# Altium PCB 4WD Robot Controller.PcbDoc (continued)
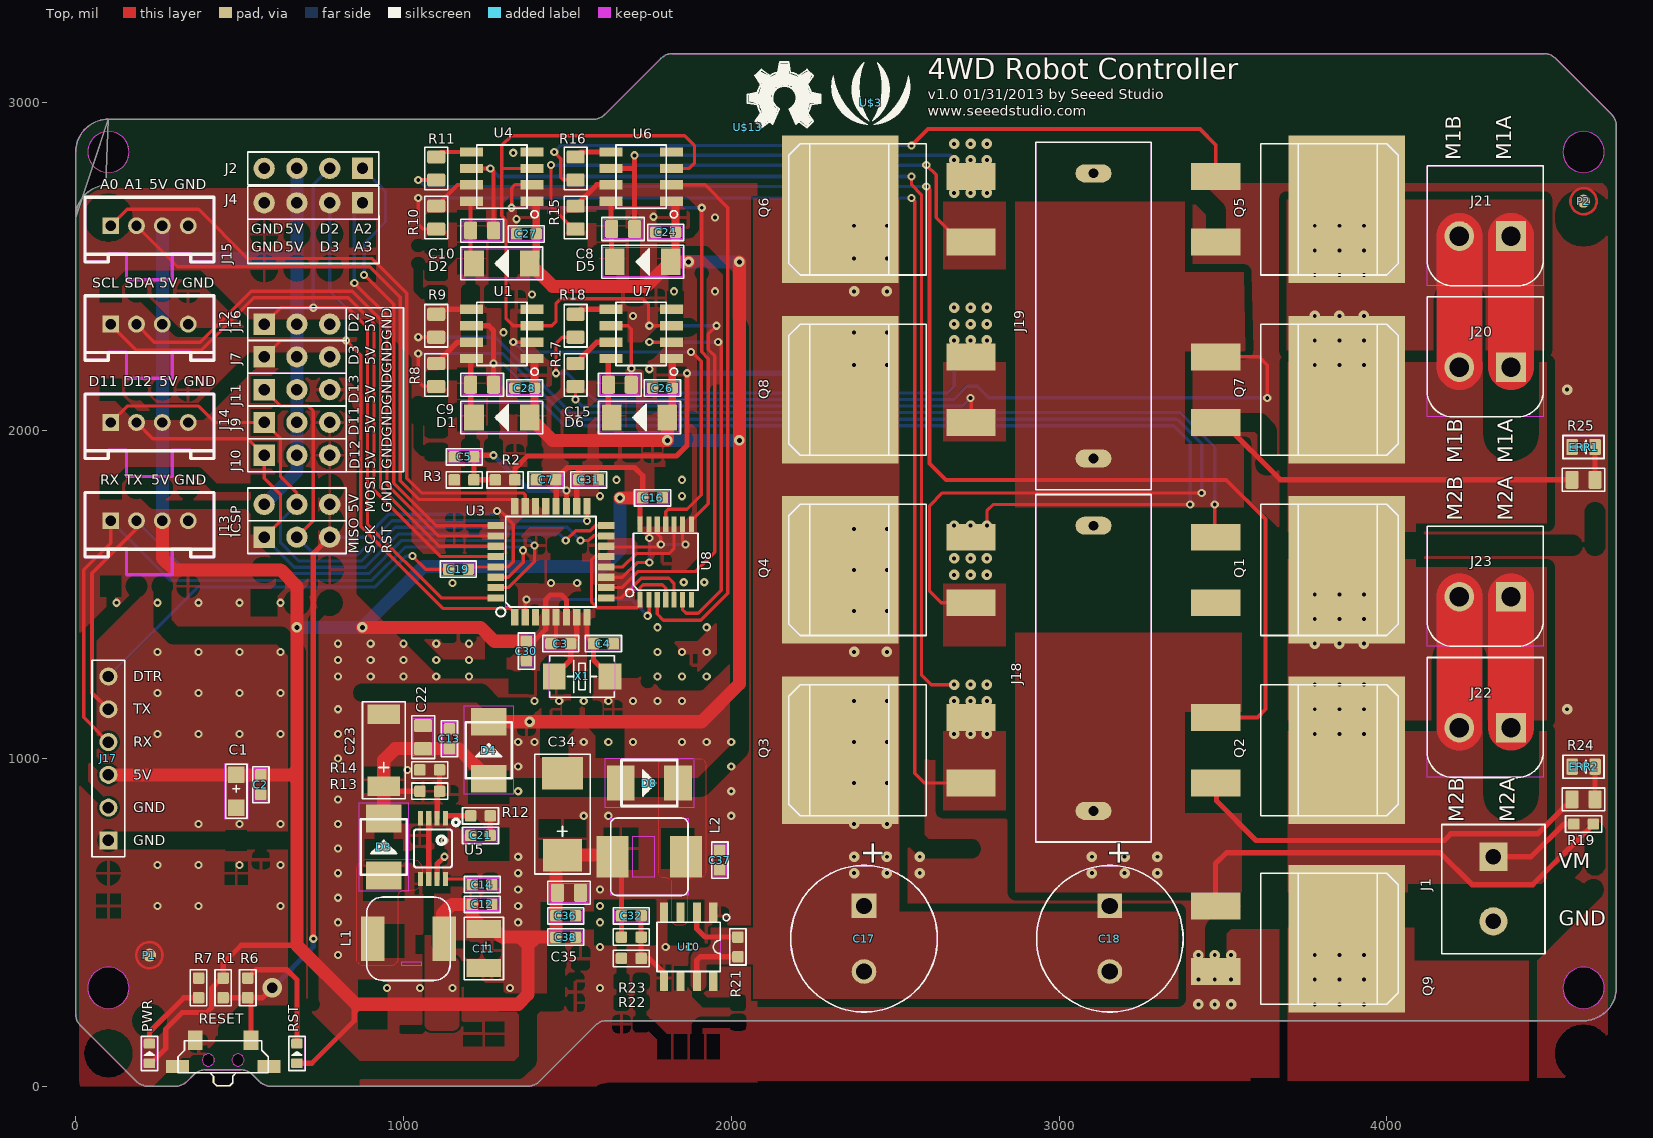
[diagram p0: Top view]
## Footprints (in the part's own frame and the unit in brackets; to place one, negate y for a bottom-side part, rotate by r counter-clockwise, add the part's x,y. Pads: shape width x height; smd on the part's side, far side on the other; paste and mask are expansions set on the pad) (continued)
SMB [mil] "SMB"
  rect 85x107.99 smd: +(-87.01,0) -(87.01,0)
  Top keep-out region: 135,75 135,-75 -135,-75 -135,75
  silkscreen extent -85,-70 85,70
SOIC-8 [mil] "SOIC-8"
  rect 28.35x70.08 smd: 1(-75,-92.13) 2(-25,-92.13) 3(25,-92.13) 4(75,-92.13) 5(75,92.13) 6(25,92.13) 7(-25,92.13) 8(-75,92.13)
  Top keep-out region: -96.46,-76.77 -96.46,76.77 96.46,76.77 96.46,-76.77
  silkscreen extent -126,-111 96,77
SOP8 [mil] "SOP8"
  rect 25x60 smd: 1(-75,-105) 2(-25,-105) 3(25,-105) 4(75,-105) 5(75,105) 6(25,105) 7(-25,105) 8(-75,105)
  Top keep-out region: -96.46,-75 -96.46,75 96.46,75 96.46,-75
  silkscreen extent -125,-100 96,75
TIRE-IMPRESS [mil] "TIRE-IMPRESS"
  silkscreen extent -33,1 3639,1044
TO263AB [mm] "TO263AB"
  rect 2.08x3.8 smd: 1(-2.54,-6.4) 3(2.54,-6.4)
  rect 11.43x9.05 smd: 2(0,3.75)
  silkscreen extent -5.08,-2.92 5.08,7.75
TP_4545 [mil] "TP_4545"
  rrect100% 45x45 smd paste-22.5: T(0,0)
  silkscreen extent -30,-30 30,30
TQFP32 [mil] "TQFP32"
  rect 50x22 smd: 1(-169,110.24) 2(-169,78.74) 3(-169,47.24) 4(-169,15.75) 5(-169,-15.75) 6(-169,-47.24) 7(-169,-78.74) 8(-169,-110.24) 17(169,-110.24) 18(169,-78.74) 19(169,-47.24) 20(169,-15.75) 21(169,15.75) 22(169,47.24) 23(169,78.74) 24(169,110.24)
  rect 22x50 smd: 9(-110.24,-169) 10(-78.74,-169) 11(-47.24,-169) 12(-15.75,-169) 13(15.75,-169) 14(47.24,-169) 15(78.74,-169) 16(110.24,-169) 25(110.24,169) 26(78.74,169) 27(47.24,169) 28(15.75,169) 29(-15.75,169) 30(-47.24,169) 31(-78.74,169) 32(-110.24,169)
  Top keep-out region: -137.99,-137.99 -137.99,137.99 137.99,137.99 137.99,-137.99
  silkscreen extent -167,-138 138,167
TSSOP14 [mm] "TSSOP14"
  rect 0.4x1.2 smd: 1(-2,-2.925) 2(-1.3,-2.925) 3(-0.65,-2.925) 4(0,-2.925) 5(0.65,-2.925) 6(1.3,-2.925) 7(2,-2.925) 8(2,2.925) 9(1.3,2.925) 10(0.65,2.925) 11(0,2.925) 12(-0.65,2.925) 13(-1.3,2.925) 14(-2,2.925)
  Top keep-out region: -2.54,-2.2 -2.54,2.2 2.54,2.2 2.54,-2.2
  silkscreen extent -3.09,-2.71 2.5,2.2

## Part data
12V: library part TP_4545, PackageName=TP_4545, OriginalSource=Eagle
C1: library part AVX-A, PackageName=AVX-A, OriginalSource=Eagle
C2 C3 C4 C5 C7 C12 C13 C14 C16 C19 C21 C24 C26 C27 C28 C30 C31 C32 C36 C37 C38: library part C0603, PackageName=C0603, OriginalSource=Eagle
C8 C9 C10 C15 C22 C35: library part C0805, PackageName=C0805, OriginalSource=Eagle
C11: library part 1210, PackageName=1210, OriginalSource=Eagle
C17 C18: library part ELECTRO-11.36MM, PackageName=ELECTRO-11.36MM, OriginalSource=Eagle
C23: library part AVX-C, PackageName=AVX-C, OriginalSource=Eagle
C34: library part AVX-D, PackageName=AVX-D, OriginalSource=Eagle
D1 D2 D5 D6: library part D2010, PackageName=D2010, OriginalSource=Eagle
D3 D4 D8: library part SMB, PackageName=SMB, OriginalSource=Eagle
ERR1 ERR2: library part LED-0805, PackageName=LED-0805, OriginalSource=Eagle
ICSP: library part 2X3P-2.54, PackageName=2X3P-2.54, OriginalSource=Eagle
J1: library part 2P-5.0, PackageName=2P-5.0, OriginalSource=Eagle
J2 J4: library part 4P-65/35MIL, PackageName=4P-65/35MIL, OriginalSource=Eagle
J7 J9 J10 J11 J16: library part 3P-2.54, PackageName=3P-2.54, OriginalSource=Eagle
J12 J13 J14 J15: library part 4P-2.0, PackageName=4P-2.0, OriginalSource=Eagle
J17: library part 6P-2.54-55/35MIL, PackageName=6P-2.54-55/35MIL, OriginalSource=Eagle
J18 J19: library part 2P-26.9X8.9X15.4H, PackageName=2P-26.9X8.9X15.4H, OriginalSource=Eagle
J20 J21 J22 J23: library part 2P-4.0, PackageName=2P-4.0, OriginalSource=Eagle
L1: library part 2626, PackageName=2626, OriginalSource=Eagle
L2: library part L0630, PackageName=L0630, OriginalSource=Eagle
LOGO: library part TIRE-IMPRESS, PackageName=TIRE-IMPRESS, OriginalSource=Eagle
P1 P2: library part ROUND-MARK-1.0, PackageName=ROUND-MARK-1.0, OriginalSource=Eagle
PWR RST: library part LED-0603, PackageName=LED-0603, OriginalSource=Eagle
Q1 Q2 Q3 Q4 Q5 Q6 Q7 Q8 Q9: library part TO263AB, PackageName=TO263AB, OriginalSource=Eagle
R1 R2 R3 R6 R7 R12 R13 R14 R19 R21 R22 R23: library part R0603, PackageName=R0603, OriginalSource=Eagle
R8 R9 R10 R11 R15 R16 R17 R18 R24 R25: library part R0805, PackageName=R0805, OriginalSource=Eagle
RESET: library part 4P-SMD-7X3.5X3.5H, PackageName=4P-SMD-7X3.5X3.5H, OriginalSource=Eagle
U1 U4 U6 U7: library part SOIC-8, PackageName=SOIC-8, OriginalSource=Eagle
U3: library part TQFP32, PackageName=TQFP32, OriginalSource=Eagle
U5: library part MSOP8, PackageName=MSOP8, OriginalSource=Eagle
U8: library part TSSOP14, PackageName=TSSOP14, OriginalSource=Eagle
U10: library part SOP8, PackageName=SOP8, OriginalSource=Eagle
U$3: library part LOGO_SILK, PackageName=LOGO_SILK, OriginalSource=Eagle
U$13: library part OSHW_FILLX200_NOTEXT, PackageName=OSHW_FILLX200_NOTEXT, OriginalSource=Eagle
X1: library part 2P-SMD-5X3.2, PackageName=2P-SMD-5X3.2, OriginalSource=Eagle

## Free pads (board coordinates)
  round 37.4 hole 37.4 unplated: MH1(404.72,80) MH2(495.28,80)
  round 126 hole 126 unplated: MH1(4600,2850) MH2(4600,300) MH3(100,2850) MH4(100,300)

## Via types
v1: diameter 25/25 (per signal layer), hole 12, Top to Bottom, tented both sides, 171 vias
v2: diameter 32/32 (per signal layer), hole 12, Top to Bottom, tented both sides, 130 vias
v3: diameter 32/32 (per signal layer), hole 15, Top to Bottom, tented both sides, 8 vias
v4: diameter 60/60 (per signal layer), hole 32, Top to Bottom, tented both sides, 1 vias

## Nets (pads, with @x,y where several pads share a name; then routed paths per layer and width w, separated by ;. In a path a pad name is that pad's centre, name@x,y a point inside that pad or via, vN(x,y) a via of type N, cw(c..) or ccw(c..) an arc to the next point about the centre after c; other vN are vias at no path point)
5V: C1.+ C2.1 C7.2 C11.+ C12.2 C16.1 C30.2 C31.2 C32.1 C34.+ C35.2 C36.2 C38.2 ICSP.6 J2.3 J4.3 J7.2 J9.2 J10.2 J11.2 J12.3 J13.3 J14.3 J15.3 J16.2 J17.3 L1.2 L2.2 PWR.+ R1.1 R23.2 RST.+ U3.4 U3.6 U3.18 U3.20 U5.3 U5.6 U8.14 | length 11035.1
  Top w16: PWR.+ 230,70 275,115 275,175 325,225 400,225 415,240 415,300 445,330 R1.1 450,375 505.28,430.28 675,430.28 ; RST.+ 720,70 850,200 850,225 ; 850,255 850,225 ; 875,250 850,225 ; U5.6 U5.3 ; C30.2 1397.5,1357.5 1434.25,1394.25 U3.4 1434.25,1485.11 1447.68,1498.53 1482.32,1498.53 1497.24,1483.61 U3.6 ; U3.20 1465.75,1849.25 C7.2 1465,1852.98 1499.95,1887.92 1535,1887.92 ; 1527.5,1887.5 1535,1880 ; U3.18 1528.74,1843.74 C31.2 1535,1880 ; 1542.5,1887.5 1535,1880 ; L2.2 1665,672.8 C32.1 R23.2 ; U8.14 1721.26,1786.26 C16.1 1730,1862.57 1704.65,1887.92 1535,1887.92 ; 1535,1880 1535,1887.92
  Top w40: J17.3 C1.+ C2.1 660,950 ; J13.3 264.37,1610.63 300,1575 625,1575 675,1525 v3(675,1400) 675,965 ; v3(875,1400) 1235,1400 1277.5,1357.5 C30.2 ; L1.2 1120,454 1120,527.5 1147.5,555 C12.2 1210,515 C11.+ 1275,480 1300,455 1385,455 ; 1360,450 1380,430 ; 1400,450 1380,430 ; C35.2 C35.2@1465,585 ; L2.2 1632.8,705 C34.+ 1480,710 1480,730 1465,715 C35.2@1465,585 ; v3(1660,1795) C16.1 ; 660,950 675,965 ; 660,950 675,935 ; 675,935 675,430.28 855.28,250 875,250 1350,250 1380,280 1380,430 ; 675,935 675,965 ; 1380,430 1380,450 1385,455 ; 1385,455 C38.2 C36.2 C35.2@1465,585
  Bottom w10: 630,2520 630,2525 675,2570
  Bottom w40: J13.3 J14.3 J12.3 264.37,2525 ; J15.3 264.37,2525 ; 265,2505 285,2525 ; 265,2542.5 282.5,2525 ; ICSP.6 675,1875 J10.2 J9.2 J11.2 J7.2 J16.2 675,2500 ; v3(675,1400) v3(875,1400) 1060,1585 1610,1585 1660,1635 v3(1660,1795) ; J2.3 J4.3 675,2570 675,2525 ; 264.37,2525 282.5,2525 ; 282.5,2525 285,2525 ; 285,2525 630,2525 650,2525 ; 650,2525 675,2500 ; 650,2525 675,2525 ; 675,2500 675,2525
12V: 12V.T C24.2 C26.2 C27.2 C28.2 D1.+ D2.+ D4.- D5.+ D6.+ U1.1 U4.1 U6.1 U7.1 | length 4398.4
  Top w24: D1.+ 1400,2055 C28.2 1400,2212.13 U1.1 ; D2.+ 1405,2530 C27.2 1405,2687.13 U4.1 ; D6.+ 1820,2055 C26.2 1820,2217.13 U7.1 ; D5.+ 1825,2505 1825,2500 1830,2505 1830,2515 C24.2 1830,2687.13 U6.1
  Top w40: D4.- v3(1385,1112.01) 1909.38,1112.01 2025,1227.63 v3(2025,1970) v3(2025,2515) ; D1.+ 1455,1970 v3(1805,1970) D6.+ ; D2.+ 1455,2440 1740,2440 D5.+ 1830,2515 v3(1870,2515)
  Bottom w24: v3(1385,1112.01) 1385,1110 12V.T
  Bottom w40: v3(1805,1970) v3(2025,1970) ; v3(1870,2515) v3(2025,2515)
A0: J15.1 U3.23 | length 2011.4
  Top w10: J15.1 156.89,2675 375,2675 525,2525 904.53,2525 1010,2419.53 1010,1855 1055,1810 1365,1810 1371.26,1803.74 U3.23
A1: J15.2 U3.24 | length 1843.3
  Top w10: J15.2 310.63,2500 896.99,2500 990,2406.99 990,1847.02 1047.02,1790 1330,1790 1339.76,1780.24 U3.24
A2: J2.1 U3.25 | length 1417.9
  Top w10: v1(880,2475) 970,2385 970,1840 1099.76,1710.24 U3.25
  Bottom w10: J2.1 945,2730 945,2635 880,2570 v1(880,2475)
A3: J4.1 U3.26 | length 1307.5
  Top w10: v1(850,2450) 950,2350 950,1835 1106.26,1678.74 U3.26
  Bottom w10: v1(850,2450) 850,2670 J4.1
D2: J2.2 J16.1 U3.32 | length 1890.6
  Top w10: J16.1 625,2375 v1(725,2375) 830,2375 890,2315 890,1715 1115.24,1489.76 U3.32
  Bottom w10: v1(725,2375) 725,2750 J2.2
D3: J4.2 J7.1 U3.1 | length 1888.5
  Top w10: J7.1 625,2275 v1(825,2275) 870,2230 870,1707.84 1120.34,1457.5 1325,1457.5 1339.76,1442.74 U3.1
  Bottom w10: J4.2 775,2425 825,2375 v1(825,2275)
D4/CTR1A: U3.2 U8.2 | length 498.7
  Top w10: U3.2 1371.26,1481.26 v1(1375,1485) ; v1(1745,1435) 1750,1440 1750,1483.66 U8.2
  Bottom w10: v1(1375,1485) 1695,1485 v1(1745,1435)
D5/CTR1B: U3.9 U8.5 | length 287.6
  Top w10: U3.9 1664.76,1489.76 1725,1550 1810,1550 1825,1535 1825,1485.43 U8.5
D6/IR2104SD: U1.3 U3.10 U4.3 U6.3 U7.3 | length 3326.3
  Top w10: U4.3 1300,2800 ; U3.10 1666.26,1521.26 1715,1570 1890,1570 1949.5,1629.5 1949.5,2228 1930,2247.5 1930,2295 v1(1955,2320) ; U6.3@1800,2800 U6.3 1872.5,2800 1887.5,2815 1887.5,2870 1857.5,2900 1330,2900 1300,2870 1300,2800 ; U7.3 v1(1750,2320) 1747.5,2322.5 1747.5,2385 1730,2402.5 1480,2402.5 1465,2387.5 1465,2332.5 1452.5,2320 U1.3 1335,2320 1312.5,2342.5 1312.5,2642.5 1300,2655 1300,2800
  Bottom w10: v1(1750,2320) v1(1955,2320)
D7/CTR2A: U3.11 U8.13 | length 267.7
  Top w10: U3.11 1667.76,1552.76 1712.5,1597.5 v1(1750,1597.5) ; U8.13 1750,1713.98 v1(1750,1672.5)
  Bottom w10: v1(1750,1597.5) v1(1750,1672.5)
D8/CTR2B: U3.12 U8.10 | length 304.5
  Top w10: U3.12 1669.25,1584.25 1710,1625 1810,1625 1825,1640 1825,1714.57 U8.10
D9/PWM1: U3.13 U8.1 U8.4 | length 510.6
  Top w10: U3.13 1582.8,1615.75 1573.91,1606.86 1573.91,1476.97 1591.09,1459.79 1712.95,1459.79 1721.26,1468.1 U8.1 1721.26,1519.93 1731.33,1530 1790,1530 1800,1520 U8.4
D10/PWM2: U3.14 U8.9 U8.12 | length 378.4
  Top w10: U3.14 1621.24,1645 1777.5,1645 v1(1785,1652.5) 1785,1675 1774.41,1685.59 U8.12 ; U8.9 1851.18,1661.32 v1(1860,1652.5)
  Bottom w10: v1(1785,1652.5) v1(1860,1652.5)
D11/MOSI: ICSP.5 J9.1 J14.1 U3.15 | length 2021.8
  Top w10: J14.1 156.89,2075 375,2075 425,2025 J9.1 625,1975 625,1860 675,1810 ICSP.5 ; v1(1540,1665) 1565,1665 1580,1680 1617.74,1680 U3.15
  Bottom w10: ICSP.5 625,1725 625,1657.32 679.81,1602.51 872.51,1602.51 975,1705 1500,1705 v1(1540,1665)
D12/MISO: ICSP.1 J10.1 J14.2 U3.16 | length 1873.4
  Top w10: J14.2 235.63,1975 525,1975 J10.1 575,1855 625,1805 625,1725 ICSP.1 ; v1(1495,1665) 1525,1695 1570,1695 1585.14,1710.14 1585.14,1710.24 U3.16
  Bottom w10: ICSP.1 666.65,1583.35 883.35,1583.35 985,1685 1475,1685 v1(1495,1665)
D13/SCK: ICSP.2 J11.1 U3.17 | length 1577.4
  Top w10: J11.1 625,2075 710,2075 725,2060 725,1725 ICSP.2 ; v1(1560,1725) 1560.24,1725.24 U3.17
  Bottom w10: ICSP.2 729.29,1620.71 860.71,1620.71 965,1725 v1(1560,1725)
DTR: C19.1 J17.6 | length 1206.3
  Top w10: v1(1027.5,1617.5) 1067.5,1577.5 C19.1
  Bottom w10: J17.6 372.93,1522.93 912.93,1522.93 1007.5,1617.5 v1(1027.5,1617.5)
GND: C1.- C2.2 C3.1 C4.2 C5.1 C7.1 C11.- C12.1 C13.2 C14.2 C16.2 C17.- C18.- C21.2 C22.2 C23.- C24.1 C26.1 C27.1 C28.1 C30.1 C31.1 C34.- C35.1 C36.1 C37.1 C38.1 D8.+ ERR1.- ERR2.- ICSP.4 J2.4 J4.4 J7.3 J9.3 J10.3 J11.3 J12.4 J13.4 J14.4 J15.4 J16.3 J17.1 J17.2 J18.1 J19.1 Q9.3 R3.1 R7.2 R14.1 R22.2 RESET.1 RESET.S1 RESET.S2 U1.4 U3.3 U3.5 U3.21 U4.4 U5.4 U5.7 U6.4 U7.4 U8.7 U10.4 | length 164.2
  Top w12: C3.1 1465.75,1365.75 U3.5
  Top w16: U5.7 1102.8,677.8 v1(1125,700)
  other v1: 950,300 1050,300 1150,300 1325,300 1600,300 800,400 1600,425 1800,425 1875,425 800,500 1350,500 1600,500 250,550 375,550 625,550 1350,550 1600,550 800,575 1350,600 1600,600 800,650 1350,650 250,675 375,675 500,675 625,675 1350,700 800,725 1125,750 375,800 500,800 625,800 800,800 1550,825 1625,825 2000,825 800,875 1350,900 2000,900 1012.5,965 1350,975 2000,975 800,1000 1350,1050 1400,1050 1550,1050 1625,1050 1700,1050 1850,1050 1925,1050 2000,1050 250,1075 375,1075 500,1075 625,1075 800,1075 800,1150 1400,1175 1475,1175 1550,1175 1625,1175 1700,1175 1775,1175 1850,1175 250,1200 375,1200 500,1200 625,1200 800,1250 900,1250 1000,1250 1100,1250 1200,1250 1775,1250 1850,1250 1925,1250 800,1300 900,1300 1000,1300 1100,1300 1200,1300 250,1325 375,1325 500,1325 625,1325 1775,1325 1850,1325 1925,1325 800,1350 900,1350 1000,1350 1100,1350 1200,1350 1775,1400 1925,1400 125,1475 250,1475 375,1475 500,1475 625,1475 1150,1535 1450,1535 1530,1535 1855,1537.5 1917.5,1537.5 1600,1800 1850,1800 1650,1850 1850,1850 1750,2187.5 1305,2300 1700,2350 1392.5,2415 1825,2425 1950,2425 1345,2645 1950,2650 1762.5,2652.5 1335,2847.5
  other v2: 3425,250 3475,250 3525,250 3425,325 3475,325 3525,325 3425,400 3475,400 3525,400 4550,1150 4550,2125
MOTOR1A: C8.2 J20.1 J21.1 Q5.2 Q6.3 U6.6 | length 2064.2
  Top w16: U6.6 1700,2800 1705,2795 ; C8.2 1705,2795 ; v1(1705,2840) 1705,2795
  Top w140: J20.1 J21.1
  Bottom w10: v1(1705,2840) 2670,2840
  Bottom w140: J20.1 J21.1
  other v2: 3780,2475 3855,2475 3930,2475 3780,2550 3855,2550 3930,2550 3780,2625 3855,2625 3930,2625 2680,2725 2730,2725 2780,2725 2680,2825 2730,2825 2780,2825 2680,2875 2730,2875 2780,2875
MOTOR1B: C15.2 J20.2 J21.2 Q7.2 Q8.3 U7.6 | length 2150.6
  Top w10: U7.6 1685,2320 1695,2310 v1(1695,2190) C15.2
  Top w140: J20.2 J21.2
  Bottom w10: v1(1695,2190) 1770,2115 2660,2115 2680,2135 2680,2225
  Bottom w140: J20.2 J21.2
  other v2: 3780,2200 3855,2200 3930,2200 2680,2275 2730,2275 2780,2275 3780,2275 3855,2275 3930,2275 2680,2325 2730,2325 2780,2325 3780,2350 3855,2350 3930,2350 2680,2375 2730,2375 2780,2375
MOTOR2A: C9.2 J22.1 J23.1 Q1.2 Q4.3 U1.6 | length 4126
  Top w10: v2(2780,1710) 2780,1755 2800,1775 v1(3400,1775)
  Top w16: U1.6 1260,2320 1275,2305 v1(1275,2205) C9.2
  Top w140: J22.1 J23.1
  Bottom w10: v1(1275,2205) 1302.5,2205 1492.5,2015 3350,2015 3400,1965 v1(3400,1775)
  Bottom w140: J22.1 J23.1
  other v2: 3780,1350 3855,1350 3930,1350 3780,1425 3855,1425 3930,1425 3780,1500 3855,1500 3930,1500 2680,1560 2730,1560 2780,1560 2680,1610 2730,1610 2780,1610 2680,1710 2730,1710
MOTOR2B: C10.2 J22.2 J23.2 Q2.2 Q3.3 U4.6 | length 3991.5
  Top w10: v1(2550,2775) 2550,2750 2580,2720 2580,1255 2610,1225 v2(2680,1225)
  Top w12: U4.6 v1(1265,2800) 1275,2790 C10.2
  Top w140: J22.2 J23.2
  Bottom w12: v1(1265,2800) 1290,2775 v1(2550,2775)
  Bottom w140: J22.2 J23.2
  other v2: 2680,1075 2730,1075 2780,1075 3780,1075 3855,1075 3930,1075 3780,1150 3855,1150 3930,1150 2680,1175 2730,1175 2780,1175 2730,1225 2780,1225 3780,1225 3855,1225 3930,1225
N$1: R8.1 U1.7 | length 134.8
  Top w16: R8.1 1165,2270 U1.7
N$2: R9.1 U1.5 | length 114.1
  Top w16: R9.1 1115,2370 U1.5
N$3: PWR.- R7.1 | length 228.5
  Top w16: PWR.- 225,165 330,270 R7.1
N$4: R10.1 U4.7 | length 134.8
  Top w12: R10.1 1165,2750 U4.7
N$5: R6.1 RST.- | length 367.8
  Top w16: R6.1 550,355 645,355 675,325 RST.-
N$6: R11.1 U4.5 | length 114.1
  Top w12: R11.1 1115,2850 U4.5
N$7: Q3.1 R10.2 | length 3589.8
  Top w10: v1(1045,2710) 1045,2630 1060,2615 R10.2 ; v1(2550,2710) 2560,2700 2560,955 2590,925 Q3.1
  Bottom w10: v1(1045,2710) v1(2550,2710)
N$8: Q2.1 R11.2 | length 4300.2
  Top w12: v1(1045,2765) R11.2 ; v1(2595,2745) 2605,2735 2605,1900 2655,1850 3510,1850 3630,1730 3630,1150 3605,1125 Q2.1
  Bottom w10: v1(1045,2765) 1065,2745 v1(2595,2745)
N$9: C14.1 U5.8 | length 88.9
  Top w10: U5.8 1192.52,632.48 C14.1
N$10: R13.2 R14.2 U5.2 | length 150.5
  Top w16: U5.2 1102.8,892.8 R13.2 R14.2
N$11: D3.+ L1.1 U5.5
N$12: R12.1 U5.1 | length 79.7
  Top w16: U5.1 1135.87,825 R12.1
N$13: C21.1 R12.2 | length 60
  Top w16: C21.1 R12.2
N$14: R15.1 U6.7 | length 134.8
  Top w16: R15.1 1590,2750 U6.7
N$15: R16.1 U6.5 | length 114.1
  Top w16: R16.1 1540,2850 U6.5
N$16: Q6.1 R15.2 | length 1684.5
  Top w10: v1(1450,2810) 1450,2685 1520,2615 R15.2 ; v1(2595,2810) 2625,2780 2625,2650 Q6.1@2700,2575
  Top w12: Q6.1@2700,2575 Q6.1
  Bottom w10: v1(1450,2810) v1(2595,2810)
N$17: Q5.1 R16.2 | length 2297.9
  Top w10: v1(1460,2850) 1480,2830 1480,2772.5 1487.5,2765 R16.2
  Top w12: v1(2550,2870) 2600.12,2920.12 3429.88,2920.12 3478.03,2871.97 Q5.1
  Bottom w10: v1(1460,2850) 1480,2870 v1(2550,2870)
N$18: R17.1 U7.7 | length 134.8
  Top w16: R17.1 1590,2270 U7.7
N$19: R18.1 U7.5 | length 114.1
  Top w16: R18.1 1540,2370 U7.5
N$20: Q8.1 R17.2 | length 1339.5
  Top w10: v1(1525,2095) R17.2 ; v1(2730,2100) 2731.97,2098.03 Q8.1
  Bottom w10: v1(1525,2095) 1545,2075 2705,2075 v1(2730,2100)
N$21: Q7.1 R18.2 | length 2659.8
  Top w10: v1(1465,2175) 1465,2265 1485,2285 R18.2 ; Q7.1 3610,2225 3635,2200 v1(3635,2100)
  Bottom w10: v1(1465,2175) 1500,2175 1580,2095 2680,2095 2720,2135 2750,2135 2785,2100 v1(3635,2100)
N$22: C5.2 R2.1 R3.2 U3.19 | length 512.7
  Top w16: v1(1275,1925) 1220,1925 C5.2 R3.2 R2.1 ; U3.19 1497.24,1817.24 v1(1497.5,1817.5)
  Bottom w16: v1(1275,1925) 1382.5,1817.5 v1(1497.5,1817.5)
N$23: J1.2 Q9.2
  other v2: 3780,250 3855,250 3930,250 3780,325 3855,325 3930,325 3780,400 3855,400 3930,400
N$24: R21.1 U10.7 | length 194.1
  Top w16: U10.7 1895,385 1905,395 R21.1
N$25: J18.2 Q1.3 Q2.3 R24.2 | length 1241.7
  Top w16: Q2.3 3480,923.03 3480,870.96 3600.96,750 4175,750 4195,770 4460,770 R24.2
N$27: Q9.1 R19.2 | length 1412.7
  Top w16: Q9.1 3477.5,550.53 3477.5,679.15 3510.85,712.5 4162.5,712.5 4260,615 4445,615 R19.2
N$28: ERR2.+ R24.1 | length 100
  Top w16: R24.1 ERR2.+
N$29: Q4.1 R8.2 | length 4048.7
  Top w10: v1(1045,2235) 1045,2150 1060,2135 R8.2 ; Q4.1 2640,1475 2605,1510 2605,1770.95 2644.05,1810 v1(3435,1810)
  Bottom w10: v1(1045,2235) 1302.5,2235 1502.5,2035 3360,2035 3435,1960 v1(3435,1810)
N$30: Q1.1 R9.2 | length 2900
  Top w10: v1(1045,2285) R9.2 ; v1(3475,1775) 3475,1678.03 Q1.1
  Bottom w10: v1(1045,2285) 1280,2285 1510,2055 3370,2055 3475,1950 v1(3475,1775)
N$33: J19.2 Q5.3 Q7.3 R25.2 | length 1187.5
  Top w16: Q7.3@3450,2025 Q7.3 3500,2025 3675,1850 R25.2
N$34: ERR1.+ R25.1 | length 100
  Top w16: R25.1 ERR1.+
N$38: D8.- L2.1 U10.3
N$47: C32.2 R22.1 R23.1 U10.5 | length 243.6
  Top w16: C32.2 R23.1 R22.1 1750,390 1795,345 U10.5
OUTPUT1: C13.1 C22.1 C23.+ D3.- D4.+ R13.1 | length 666.8
  Top w16: C23.+ 955,900 R13.1
  Top w40: D3.- C23.+ 940,995 975,1030 C22.1 C13.1 1167.99,1030 D4.+
PWM1A: U6.2 U8.3 | length 1678.7
  Top w10: U8.3 1774.41,1440.59 1793.09,1421.91 1907.41,1421.91 1989.48,1503.98 1989.48,2680.52 1920,2750 U6.2
PWM1B: U7.2 U8.6 | length 1220.7
  Top w10: v1(1750,2270) U7.2 ; U8.6 1851.18,1453.82 1862.18,1442.82 1898.77,1442.82 1969.45,1513.5 1969.45,2260.55 v1(1960,2270)
  Bottom w10: v1(1750,2270) v1(1960,2270)
PWM2A: U1.2 U8.11 | length 1230.2
  Top w10: v1(1335,2270) U1.2 ; U8.11 1800,1752.93 1807.07,1760 1865,1760 1908.65,1803.65 1908.65,2211.35 1880,2240 v1(1877.5,2240)
  Bottom w10: v1(1335,2270) 1365,2240 v1(1877.5,2240)
PWM2B: U4.2 U8.8 | length 1703.5
  Top w10: v1(1330,2680) 1330,2740 1340,2750 U4.2 ; U8.8@1880.16,1715.16 U8.8 1878.74,1728.74 1881.24,1728.74 1930,1777.5 1930,2220 1910,2240 v1(1910,2680)
  Bottom w10: v1(1330,2680) v1(1910,2680)
RST: C19.2 ICSP.3 R1.2 R6.2 RESET.2 U3.29 | length 2615.6
  Top w10: C19.2 1204.25,1584.25 U3.29 1319.25,1584.25 1335,1600 1335,1715 1295,1755 v1(1285,1755)
  Top w16: R1.2 R6.2 ; RESET.2 535,260 R6.2 ; v4(600,300) 570,270 R6.2 ; v1(725,450) 725,1625 ICSP.3
  Bottom w10: ICSP.3 885,1675 955,1745 1275,1745 v1(1285,1755)
  Bottom w16: v4(600,300) 725,425 v1(725,450)
RX: J13.1 J17.4 U3.30 | length 2259.2
  Top w10: J17.4 25,1125 25,1575 106.89,1656.89 J13.1 ; U3.30 1319.23,1552.76 1365,1598.52 v1(1365,1635)
  Bottom w10: J13.1 288.81,1543.08 903.08,1543.08 1005,1645 1355,1645 v1(1365,1635)
SCL: J12.1 U3.28 | length 1897.6
  Top w10: J12.1 106.89,2323.11 183.8,2246.2 384.78,2246.2 538.81,2400.24 543.58,2405 831.9,2405 910,2326.9 910,1819.88 1114.14,1615.75 U3.28
SDA: J12.2 U3.27 | length 1805.3
  Top w10: J12.2 185.63,2324.37 240,2270 380,2270 535,2425 843.98,2425 930,2338.98 930,1826.18 1108.93,1647.24 U3.27
TX: J13.2 J17.5 U3.31 | length 2181.7
  Top w10: U3.31 1319.68,1521.26 1400,1601.58 v1(1400,1650)
  Top w12: J17.5 50,1200 50,1565 185.63,1700.63 J13.2
  Bottom w10: J13.2 346.6,1564.03 894.03,1564.03 995,1665 1385,1665 v1(1400,1650)
VB1A: C8.1 D5.- U6.8 | length 190
  Top w16: U6.8 1632.87,2617.13 C8.1 1635,2525 D5.-
VB1B: C15.1 D6.- U7.8 | length 187.4
  Top w16: U7.8 1625,2212.13 C15.1 1625,2050 D6.-
VB2A: C9.1 D1.- U1.8 | length 185.3
  Top w16: U1.8 1205,2217.13 C9.1 1205,2050 D1.-
VB2B: C10.1 D2.- U4.8 | length 195.3
  Top w12: U4.8 1205,2697.13 C10.1 1205,2520 D2.-
VM: C17.+ C18.+ C37.2 J1.1 Q3.2 Q4.2 Q6.2 Q8.2 R2.2 R19.1 R21.2 U10.2 | length 1801.1
  Top w16: R2.2 1340,1885 1377.5,1922.5 1832.5,1922.5 1865,1955 v1(1865,2175) ; U10.2 1895,480 1920,455 R21.2 ; J1.1 4440,700 4540,800 R19.1
  Bottom w16: v1(1865,2175) 2350,2175 v2(2375,2200)
  other v2: 2375,650 2475,650 2575,650 3100,650 3200,650 3300,650 2375,700 2475,700 2575,700 3100,700 3200,700 3300,700 2375,800 2475,800 2375,925 2475,925 2375,1050 2475,1050 2375,1175 2475,1175 2375,1325 2475,1325 2375,1450 2475,1450 2375,1575 2475,1575 2375,1700 2475,1700 2475,2200 2375,2300 2475,2300 2375,2425 2475,2425 2375,2525 2475,2525 2375,2625 2475,2625
XTAL1: C3.2 U3.7 X1.1 | length 209.5
  Top w16: X1.1 1510,1300 C3.2 1528.74,1368.74 U3.7
XTAL2: C4.1 U3.8 X1.2 | length 209.9
  Top w16: U3.8 1560.24,1369.76 C4.1 1580,1300 X1.2
pads on no net: P1.P$1 P2.P$1 U3.22 U10.1 U10.6 U10.8

## Polygon pours and split planes (outlines as drawn)
N$23 on Bottom "Polygon_2_Net_N$23" (solid, remove dead copper, pour order 12): 3697,583 4433,583 4433,217 3697,217
MOTOR2B on Bottom "Polygon_2_Net_MOTOR2B" (solid, remove dead copper, pour order 19): 2642,1283 4458,1283 4458,1042 2642,1042
MOTOR2A on Bottom "Polygon_2_Net_MOTOR2A" (solid, remove dead copper, pour order 22): 2642,1733 2858,1733 2858,1533 4021.69,1533 4096.69,1608 4458,1608 4458,1317 2642,1317
MOTOR1B on Bottom "Polygon_2_Net_MOTOR1B" (solid, remove dead copper, pour order 21): 4458,2408 4458,2117 4096.69,2117 4046.69,2167 2642,2167 2642,2408
MOTOR1A on Bottom "Polygon_1_Net_MOTOR1A" (solid, remove dead copper, pour order 20): 2642,2908 2858,2908 2858,2658 4458,2658 4458,2442 2642,2442
VM on Bottom "Polygon_4_Net_VM" (solid, remove dead copper, pour order 7): 2345,2655 2505,2655 2505,2170 2345,2170
VM on Bottom "Polygon_2_Net_VM" (solid, remove dead copper, pour order 31): 2342,467 2342,1758 2508,1758 2508,733 3217,733 3217,933 4433,933 4433,617 3558,617 3558,467
GND on Bottom "Polygon_6_Net_GND" (solid, remove dead copper, pour order 32): 2070,2955 4705,2955 4705,195 2070,195
GND on Bottom "Polygon_5_Net_GND" (solid, remove dead copper, pour order 33): -5,2955 2025,2955 cw(c2025,2900) 2080,2900 2080,-5 -5,-5
GND on Bottom "Polygon_2_Net_GND" (solid, remove dead copper, pour order 27): 3558,433 2308,433 2308,1767 2967,1767 2967,1642 3208,1642 3208,1983 2092,1983 2092,217 3558,217
GND on Bottom "Polygon_1_Net_GND" (solid, remove dead copper, pour order 0): -454,3029 -321,3029 -321,2921 -454,2921
N$33 on Top "Polygon_1_Net_N$33" (solid, remove dead copper, pour order 25): 2867,1967 2867,2908 3383,2908 3383,2683 3562.82,2683 3568.18,2442 3383,2442 3383,2158 3563,2158 3563,1967
N$25 on Top "Polygon_1_Net_N$25" (solid, remove dead copper, pour order 24): 2867,792 3558,792 3558,1033 3383,1033 3383,1342 3558,1342 3558,1583 2867,1583
N$38 on Top "Polygon_1_Net_N$38" (solid, remove dead copper, pour order 30): 1795,637 1800,637 cw(c1800,620) 1817,620 1817,510 ccw(c1835,510) 1835,492 1850,492 ccw(c1850,510) 1868,510 1868,620 cw(c1885,620) 1885,637 1905,637 ccw(c1905,655) 1923,655 1923,980 ccw(c1905,980) 1905,998 1795,998 ccw(c1795,980) 1777,980 1777,655 ccw(c1795,655)
N$23 on Top "Polygon_1_Net_N$23" (solid, remove dead copper, pour order 13): 4433,583 4083,583 4083,683 3697,683 3697,217 4433,217
MOTOR2B on Top "Polygon_3_Net_MOTOR2B" (solid, remove dead copper, pour order 5): 2647,1283 2838,1283 2838,1042 2647,1042
MOTOR2B on Top "Polygon_1_Net_MOTOR2B" (solid, remove dead copper, pour order 16): 4488,1283 3697,1283 3697,792 4063,792 4063,817 4488,817
MOTOR2A on Top "Polygon_3_Net_MOTOR2A" (solid, remove dead copper, pour order 3): 2647,1733 2838,1733 2838,1542 2647,1542
MOTOR2A on Top "Polygon_1_Net_MOTOR2A" (solid, remove dead copper, pour order 17): 3697,1808 4088,1808 4088,1783 4488,1783 4488,1317 3697,1317
MOTOR1B on Top "Polygon_3_Net_MOTOR1B" (solid, remove dead copper, pour order 6): 2647,2408 2838,2408 2838,2167 2647,2167
MOTOR1B on Top "Polygon_1_Net_MOTOR1B" (solid, remove dead copper, pour order 18): 3697,2408 4488,2408 4488,1917 4088,1917 4088,1892 3697,1892
MOTOR1A on Top "Polygon_3_Net_MOTOR1A" (solid, remove dead copper, pour order 15): 3695,2905 4480,2905 4480,2445 3695,2445
MOTOR1A on Top "Polygon_2_Net_MOTOR1A" (solid, remove dead copper, pour order 4): 2647,2908 2838,2908 2838,2692 2647,2692
VM on Top "Polygon_3_Net_VM" (solid, remove dead copper, pour order 2): 1905,492 1895,492 cw(c1895,510) 1877,510 1877,590 cw(c1910,590) 1910,623 1920,623 ccw(c1920,640) 1937,640 1937,683 2138,683 2138,572 1930,572 ccw(c1930,565) 1923,565 1923,510 cw(c1905,510)
VM on Top "Polygon_1_Net_VM" (solid, remove dead copper, pour order 28): 2067,2908 2513,2908 2513,733 3363,733 3363,467 2067,467
5V on Top "Polygon_1_Net_5V" (solid, remove dead copper, pour order 1): 1065,660 1090,660 1090,605 ccw(c1100,605) 1100,595 1150,595 cw(c1150,575) 1170,575 1170,390 cw(c1150,390) 1150,370 1085,370 cw(c1085,390) 1065,390
N$11 on Top "Polygon_1_Net_N$11" (solid, remove dead copper, pour order 29): 983,580 983,390 cw(c960,390) 960,367 880,367 cw(c880,390) 857,390 857,660 cw(c890,660) 890,693 1025,693 cw(c1025,660) 1058,660 1058,630 cw(c1025,630) 1025,597 1000,597 ccw(c1000,580)
GND on Top "Polygon_7_Net_GND" (solid, remove dead copper, pour order 35): 2070,2955 4705,2955 4705,195 2070,195
GND on Top "Polygon_4_Net_GND" (solid, remove dead copper, pour order 34): -5,2955 2080,2955 2080,-5 -5,-5
GND on Top "Polygon_3_Net_GND" (solid, remove dead copper, pour order 14): 2067,433 3583,433 3583,217 2067,217
no net on Bottom Solder "Polygon_6_NoNet" (solid, pour order 23): 2367,708 3242,708 3242,908 4133,908 4133,642 3533,642 3533,492 2367,492
no net on Bottom Solder "Polygon_5_NoNet" (solid, pour order 8): 2671,2379 4054,2379 4054,2196 2671,2196
no net on Bottom Solder "Polygon_4_NoNet" (solid, pour order 10): 2671,1254 4079,1254 4079,1071 2671,1071
no net on Bottom Solder "Polygon_3_NoNet" (solid, pour order 9): 2671,1704 2829,1704 2829,1504 4079,1504 4079,1346 2671,1346
no net on Bottom Solder "Polygon_2_NoNet" (solid, pour order 26): 2996,1671 3179,1671 3179,1954 2121,1954 2121,246 3529,246 3529,404 2279,404 2279,1796 2996,1796
no net on Bottom Solder "Polygon_1_NoNet" (solid, pour order 11): 2671,2879 2829,2879 2829,2629 4054,2629 4054,2471 2671,2471

## Keep-outs
Top:
  region: 1700,637 1700,763 1765,763 1765,637
  region: 995,367 995,380 1055,380 1055,367
Keep-Out Layer:
  the board outline again, w1

## Silkscreen, mask and mechanical layers (free items; w line width, h text height)
Top Overlay:
  circle w10: c1160,805 r10
  lines w5: 825,1875 1000,1875 1000,2375 825,2375
  lines w6: 525,2645 525,2510 925,2510 925,2655
  text "4WD Robot Controller" at 2600,3050 h108.5
  text "v1.0 01/31/2013 by Seeed Studio" at 2600,3000 h54.25
  text "www.seeedstudio.com" at 2600,2950 h54.25
  text "M1B" at 4240,2825 h77.5 r90
  text "M1A" at 4395,2825 h77.5 r90
  text "A0" at 75,2725 h54.25
  text "A1" at 150,2725 h54.25
  text "5V" at 225,2725 h54.25
  text "GND" at 300,2725 h54.25
  text "GND" at 535,2590 h54.25
  text "5V" at 640,2590 h54.25
  text "D2" at 745,2590 h54.25
  text "A2" at 850,2590 h54.25
  text "GND" at 535,2535 h54.25
  text "5V" at 640,2535 h54.25
  text "D3" at 745,2535 h54.25
  text "A3" at 850,2535 h54.25
  text "SCL" at 50,2425 h54.25
  text "SDA" at 150,2425 h54.25
  text "5V" at 255,2425 h54.25
  text "GND" at 325,2425 h54.25
  text "D2" at 875,2300 h54.25 r90
  text "5V" at 925,2300 h54.25 r90
  text "GND" at 975,2275 h54.25 r90
  text "D3" at 875,2200 h54.25 r90
  text "5V" at 925,2200 h54.25 r90
  text "GND" at 975,2175 h54.25 r90
  text "D11" at 40,2125 h54.25
  text "D12" at 145,2125 h54.25
  text "5V" at 255,2125 h54.25
  text "GND" at 330,2125 h54.25
  text "D13" at 875,2082.5 h54.25 r90
  text "5V" at 925,2082.5 h54.25 r90
  text "GND" at 975,2077.5 h54.25 r90
  text "5V" at 925,1990 h54.25 r90
  text "D11" at 875,1985 h54.25 r90
  text "GND" at 975,1980 h54.25 r90
  text "M1B" at 4245,1900 h77.5 r90
  text "M1A" at 4400,1900 h77.5 r90
  text "D12" at 877.5,1882.5 h54.25 r90
  text "5V" at 925,1882.5 h54.25 r90
  text "GND" at 975,1882.5 h54.25 r90
  text "RX" at 75,1825 h54.25
  text "TX" at 150,1825 h54.25
  text "5V" at 230,1825 h54.25
  text "GND" at 300,1825 h54.25
  text "5V" at 875,1750 h54.25 r90
  text "MOSI" at 925,1750 h54.25 r90
  text "GND" at 975,1750 h54.25 r90
  text "M2B" at 4245,1725 h77.5 r90
  text "M2A" at 4400,1725 h77.5 r90
  text "MISO" at 875,1625 h54.25 r90
  text "SCK" at 925,1625 h54.25 r90
  text "RST" at 975,1625 h54.25 r90
  text "DTR" at 175,1225 h54.25
  text "TX" at 175,1125 h54.25
  text "RX" at 175,1025 h54.25
  text "5V" at 175,925 h54.25
  text "GND" at 175,825 h54.25
  text "M2B" at 4250,805 h77.5 r90
  text "M2A" at 4405,805 h77.5 r90
  text "GND" at 175,725 h54.25
  text "VM" at 4525,650 h77.5
  text "GND" at 4525,475 h77.5
Bottom Solder:
  region: 3750,250 3750,400 4125,400 4125,250
Dimension:
  the board outline again, w1

## Text inside footprints (layer, text, board x,y; h text height)
C11: Top Overlay "+" at 1230,445 h49.6 r270
C17: Top Overlay "+" at 2380,750 h117.8 r270
C18: Top Overlay "+" at 3130,750 h117.8 r270
J18: Milling "SLOT DRILLS WITH COPPER" at 2780,1600 h54.25 r270
J19: Milling "SLOT DRILLS WITH COPPER" at 3430,2025 h54.25 r90